# Altium PCB A题功率.PcbDoc
Units mil, origin at the board's own origin, x right, y up, seen from the top; angles counter-clockwise.
Board outline 6890.03 x 6700.06 mil, 2 copper layers (Top Layer, Bottom Layer); 105 components, 59 nets, 275 pads, 0 vias.
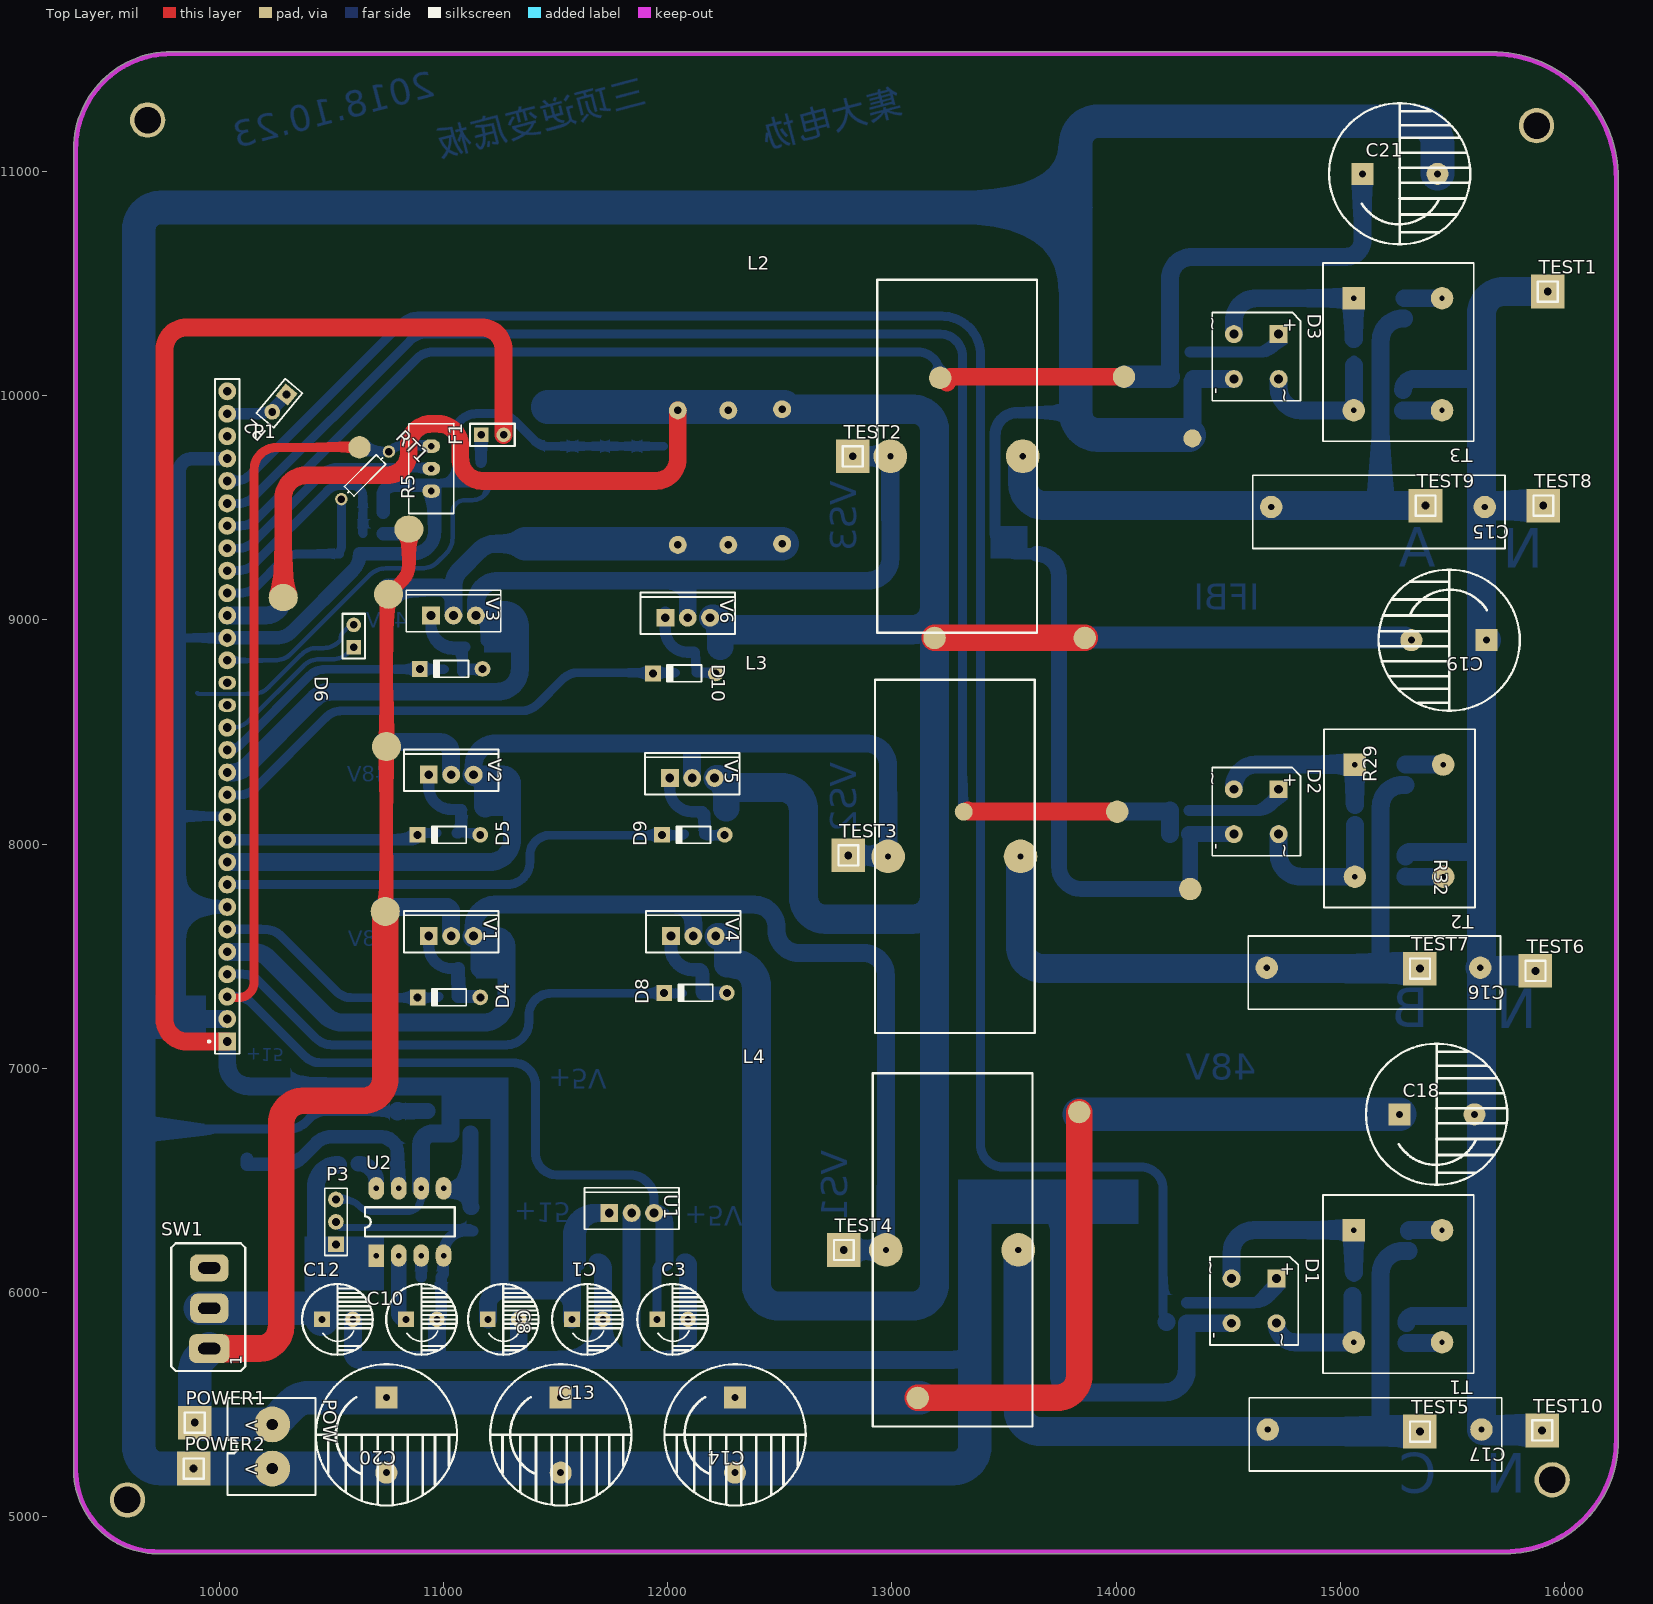
[diagram p0: Top Layer view]
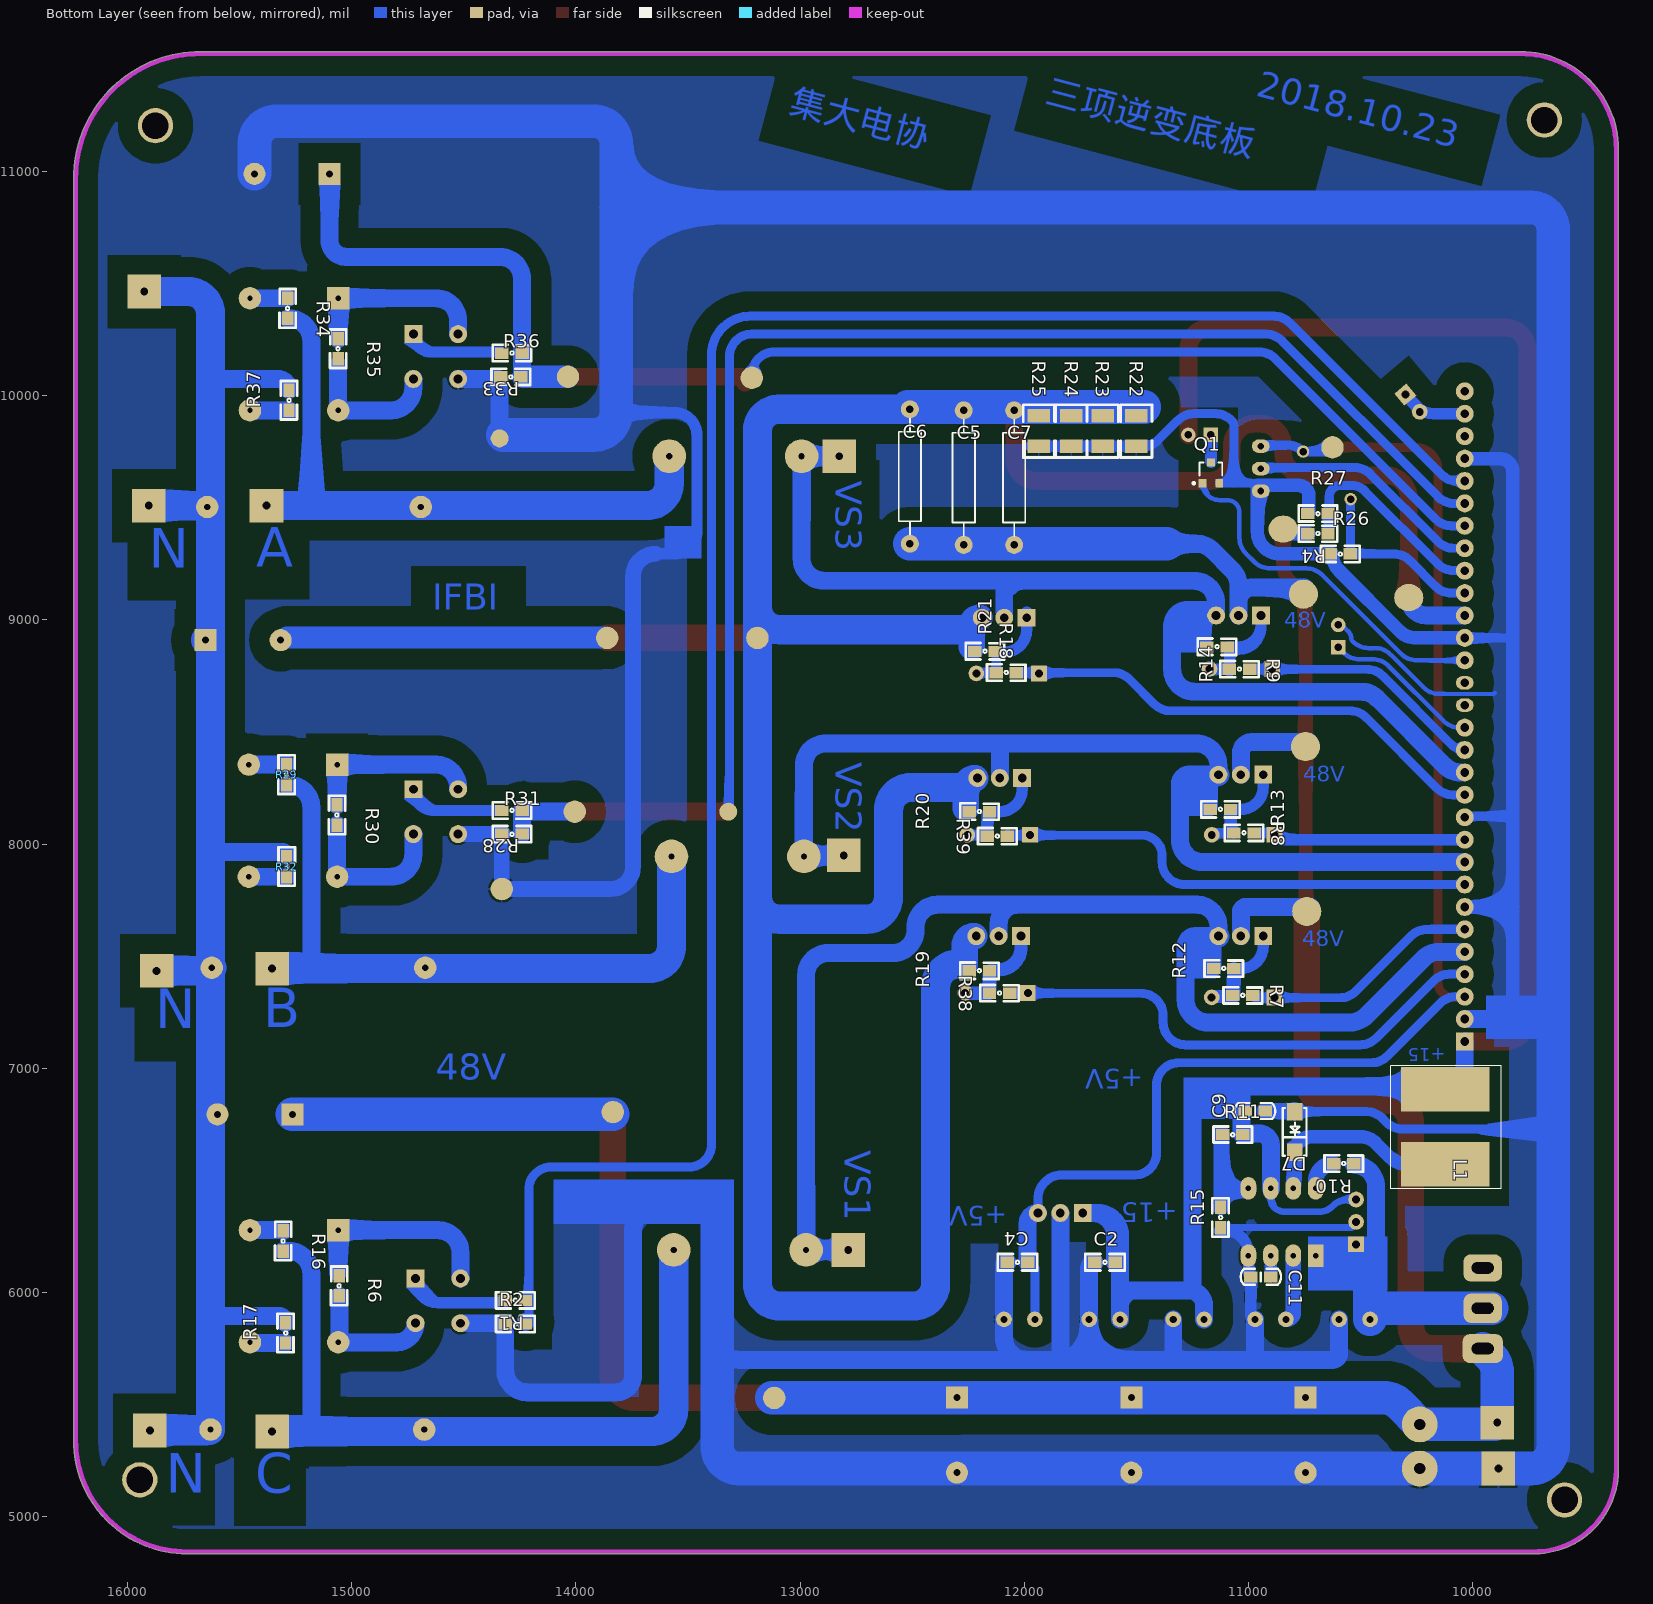
[diagram p1: Bottom Layer view, seen from below]
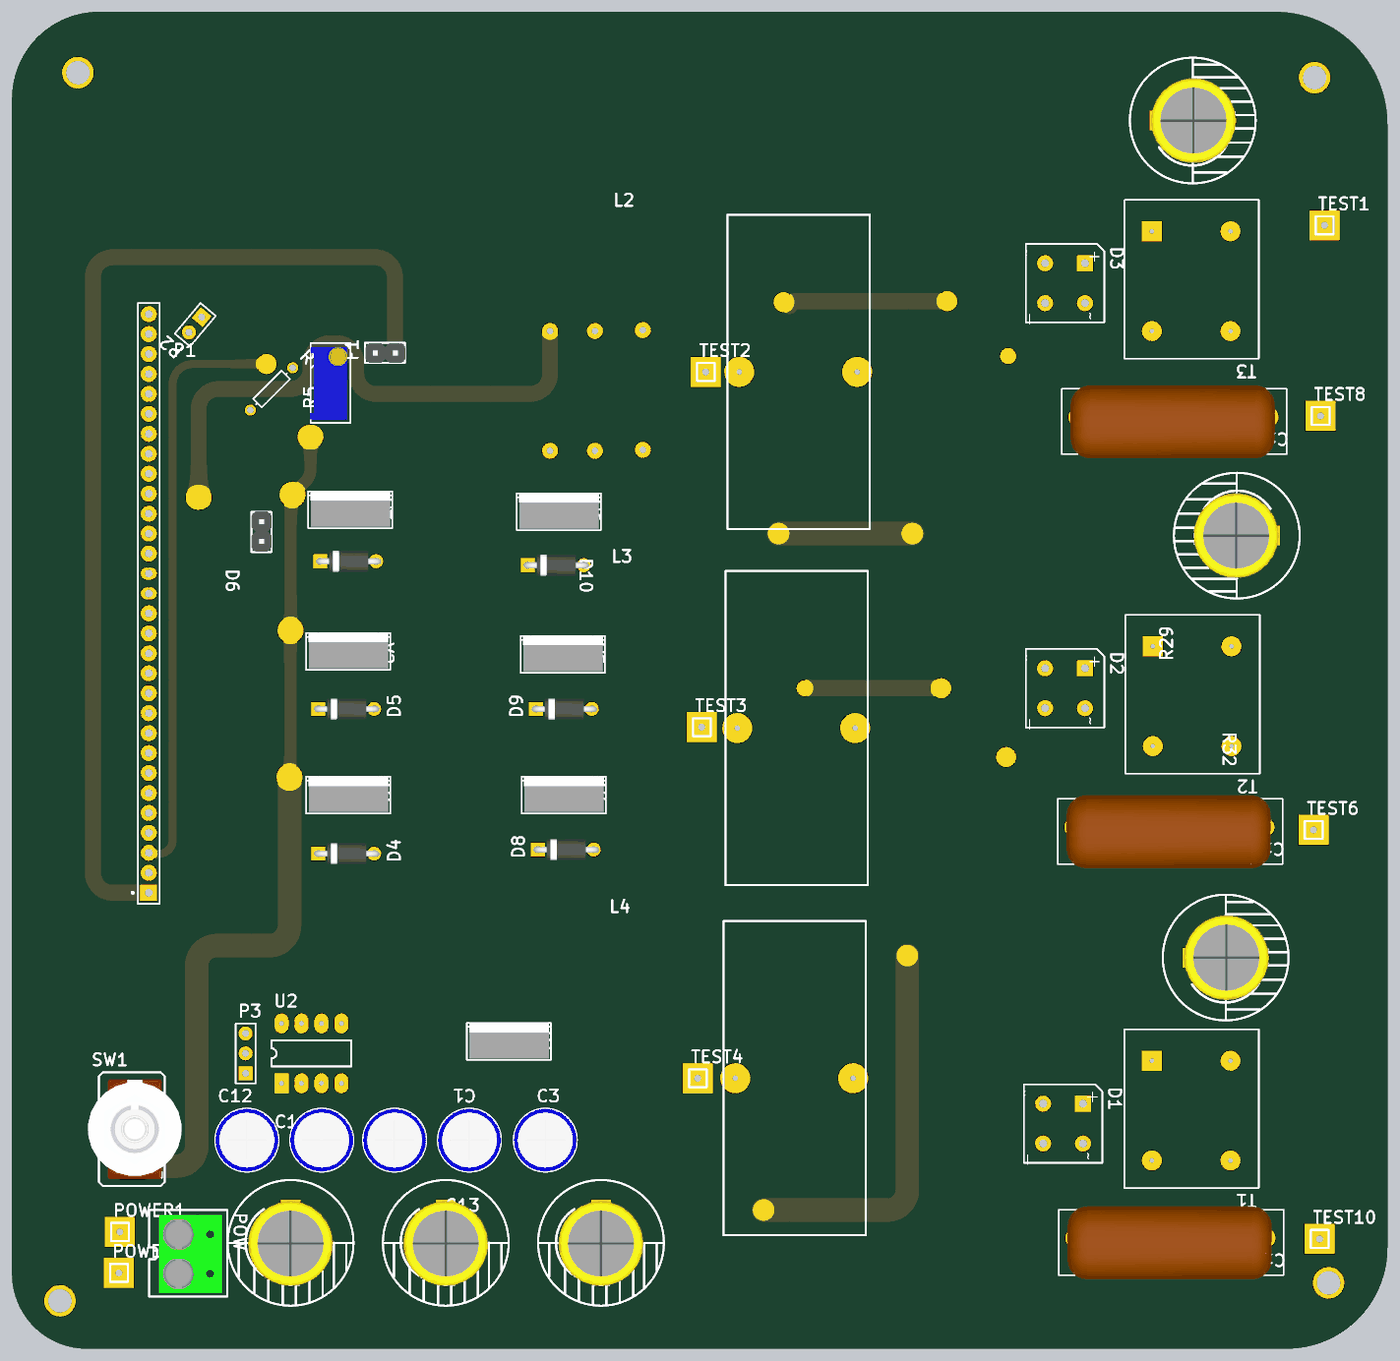
[diagram p2: 3D render of the assembled board from above, using the file's embedded part models]
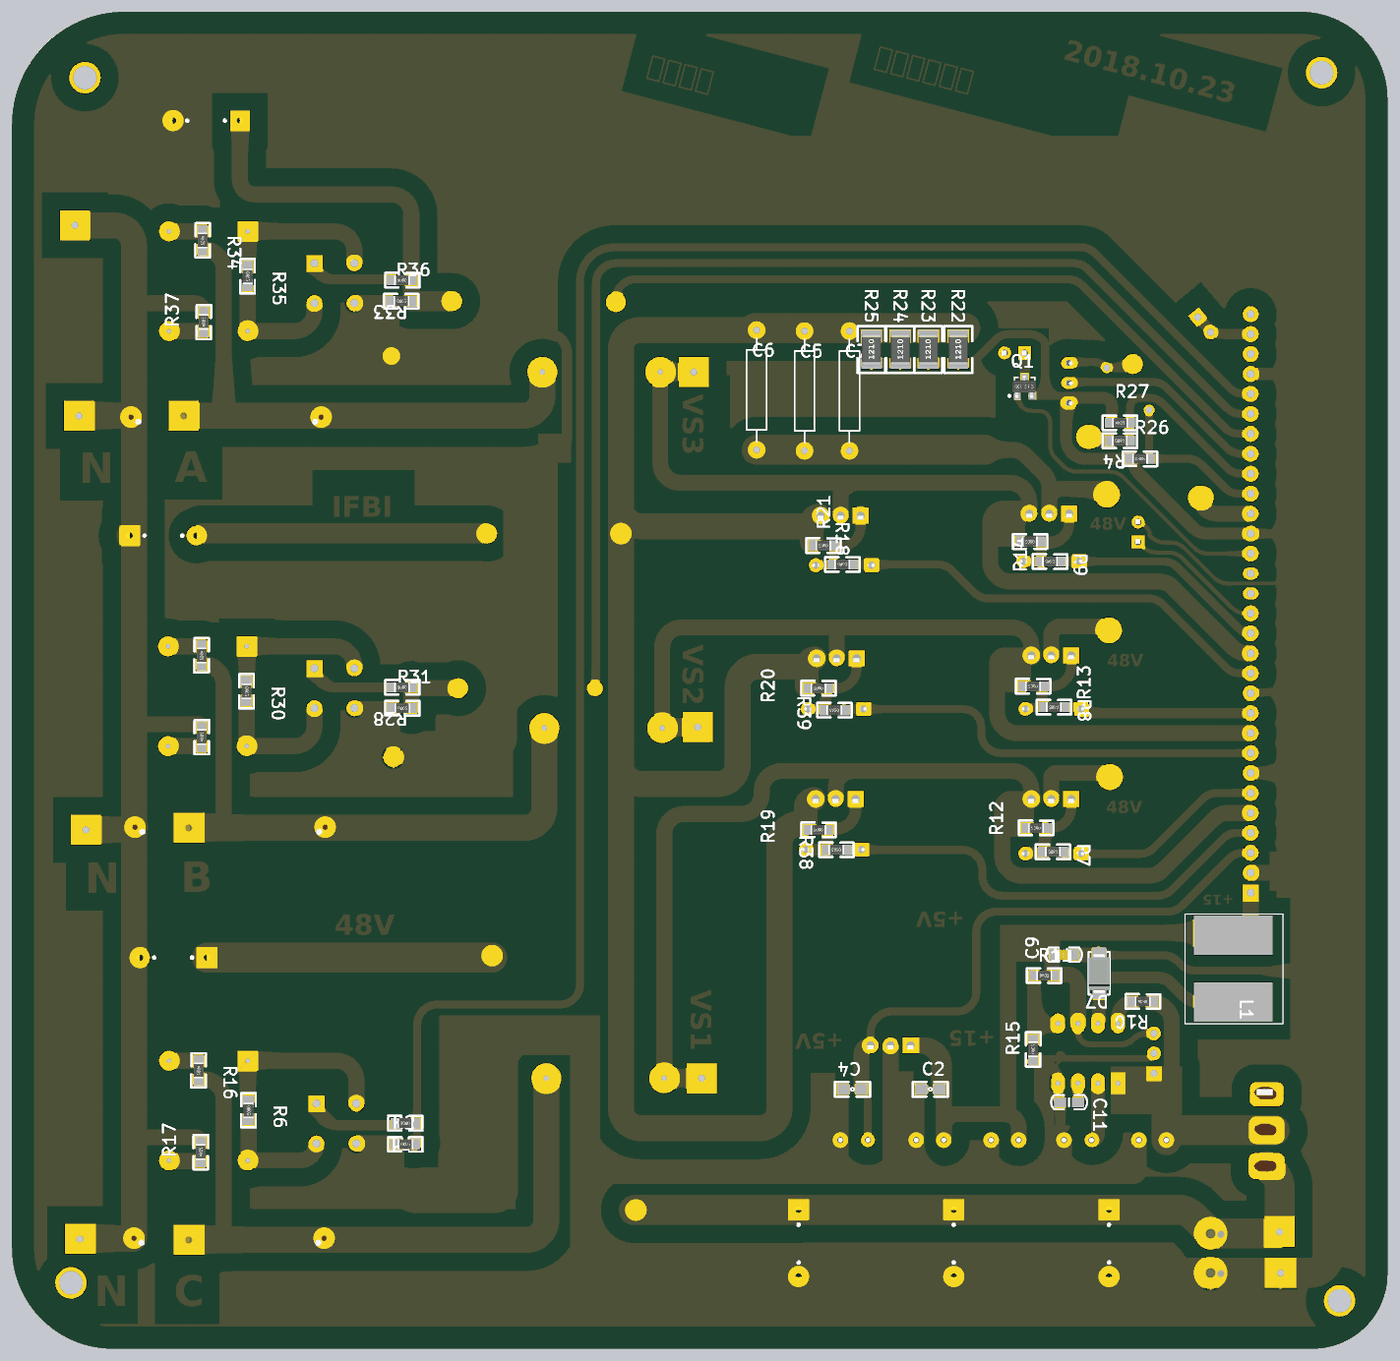
[diagram p3: 3D render of the assembled board from below, using the file's embedded part models]

## Layer stack, top to bottom
Top Solder: solder mask 0.4, Solder Resist, Dk 3.5
Top Layer: signal copper 1.4
Dielectric 1: dielectric 12.6, FR-4, Dk 4.8
Bottom Layer: signal copper 1.4
Bottom Solder: solder mask 0.4, Solder Resist, Dk 3.5

## Board outline
9719.86,4834.99 ccw(c9720,4845) 9720,4834.98 9719.86,4834.99 cw(c9725,5210) 9349.99,5204.86 cw(c9360,5205) 9349.99,5205 9349.99,11100 cw(c9785,11100) 9785,11535.01 15675,11535.01 cw(c15675,10970) 16240.01,10970.05 cw(c15675,10970) 16240.01,10970 ccw(c16230,10970) 16240.01,10970.05 16240.01,10970 16240.01,5340 cw(c15735,5340) 15735.05,4834.99 cw(c15735,4845) 15735,4834.98 9730.06,4834.98 ccw(c9725,5210) 9730.14,4834.99 9730.06,4834.98 cw(c9725,5210)

## Design rules (kind name [scope] priority, off if disabled: settings)
Clearance Clearance_2 [InPolygon vs InNet('GND')and IsThruPin or InNet('GND_ISO1')and IsThruPin] p1: gap=50
Clearance Clearance_1 [HasPad('Free-0')] p2: gap=118.11
Clearance [All] p3: gap=10
ComponentClearance [All] p1: gap=0 collisioncheckmode=3 verticalgap=0 showdistances=FALSE
HoleSize [All] p1: absolutevalues=TRUE maxlimit=141.73 minlimit=1 maxpercent=80.000 minpercent=20.000
HoleToHoleClearance [All] p1: gap=3.94 allowstackedmicrovias=TRUE
MinimumSolderMaskSliver [All] p1: minsoldermaskwidth=-3.94
PolygonConnect PolygonConnect_1 [All vs IsVia] p1: connectstyle=Direct reliefconductorwidth=10 reliefentries=4 polygonreliefangle="90 Angle" airgapwidth=10
PolygonConnect [All] p2: connectstyle=Relief reliefconductorwidth=10 reliefentries=4 polygonreliefangle="90 Angle" airgapwidth=10
RoutingVias [All] p1: holewidth=16 width=25 viastyle="Through Hole" minholewidth=10 minwidth=20 maxholewidth=28 maxwidth=50
SilkToSilkClearance [All] p1: silktosilkclearance=-3.94
SilkToSolderMaskClearance SilkscreenOverComponentPads [IsPad] p1: minsilkscreentomaskgap=-3.94 clearancetoexposedcopper=TRUE
SolderMaskExpansion SolderMaskExpansion_1 [IsVia] p1: expansion=-787.4
SolderMaskExpansion [All] p2: expansion=4
Width [All] p1: maxlimit=150 minlimit=7.87 preferedwidth=40 toplayer_maxwidth=118.11 toplayer_prefwidth=9.84 bottomlayer_minwidth=10 minimp=50.000000 maximp=50.000000 favimp=50.000000
24 further rules are at their usual default settings.

## Components (designator, comment, footprint, x,y, rotation, side; value= is the part's Value field where it differs from the comment)
C1 "100uF/25V" Cap(直插)RB.8 11570,5880 r0 top
C2 "0.1uF" 0805 11645,6135 r270 bottom
C3 "100uF/25V" Cap(直插)RB.8 11950,5880 r0 top
C4 "0.1uF" 0805 12035,6135 r270 bottom
C5 "0.1uF/100V" AXIAL-0.6 12270,9635 r90 bottom
C6 "0.1uF/100V" AXIAL-0.6 12510,9640 r90 bottom
C7 "0.1uF/100V" AXIAL-0.6 12045,9635 r90 bottom
C8 "100uF/25V" Cap(直插)RB.8 11195,5880 r0 top
C9 "104" 0805C#1 10930,6810 r0 bottom
C10 "4.7uF/25V" Cap(直插)RB.8 10830,5880 r0 top
C11 "470pF" 0805C#2 10990,6070 r180 bottom
C12 "100uF/100V" Cap(直插)RB.8 10455,5880 r0 top
C13 "1000uF/63V" Cap-RB.16(直插) 11522.5,5425 r270 top
C14 "1000uF/63V" Cap-RB.16(直插) 12300,5425 r270 top
C15 "2.2uF" 涤纶大电容 15660,9500 r180 top
C16 "2.2uF" 涤纶大电容 15640,7445 r180 top
C17 "2.2uF" 涤纶大电容 15645,5385 r180 top
C18 "1000uF/63V" Cap-RB.16(直插) 15370,6795 r0 top
C19 "1000uF/63V" Cap-RB.16(直插) 15545,8910 r180 top
C20 "1000uF/63V" Cap-RB.16(直插) 10745,5425 r270 top
C21 "1000uF/63V" Cap-RB.16(直插) 15205,10990 r0 top
D1 "Bridge1" D-38 14615,5963.19 r270 top
D2 "Bridge1" D-38 14625,8145 r270 top
D3 "Bridge1" D-38 14625,10175 r270 top
D4 "IN4148" D1(直插) 10885.24,7315 r0 top
D5 "IN4148" D1(直插) 10885,8040 r0 top
D6 "IN4148" D1(直插) 10895,8780 r0 top
D7 "SS14" SS14 10795,6800 r270 bottom
D8 "IN4148" D1(直插) 11985,7335 r0 top
D9 "IN4148" D1(直插) 11975.24,8040 r0 top
D10 "IN4148" D1(直插) 11935,8760 r0 top
F1 "扇热风扇" "Header 2" 11270,9825 r90 top
L1 "220uH" "电感 220uH(大)" 10125,6555 r270 bottom
L2 "2.2mH" 大电感 13000,9735 r0 top locked
L3 "2.2mH" 大电感 12990,7950 r0 top locked
L4 "2.2mH" 大电感 12980,6195 r0 top locked
P1 "CONNECT-30" HDR1X30 10035,7120 r90 top
P2 "Header 2" HDR1X2 10300,10005 r230 top
P3 "Header 3" HDR1X3 10520,6215 r90 top
POW "接线端子" 接线端子-2P-5.0MM 10240,5400 r270 top
POWER1 "测试点" 测试点 9890,5425 r90 top
POWER2 "测试点" 测试点 9885,5220 r90 top
Q1 "S8050" NPN 11130,9610 r180 bottom
R1 "10K" 0805R#1 14270,5965 r0 bottom
R2 "2K" 0805R#1 14270,5860 r180 bottom
R4 "10K" 0805R#1 10690,9385 r0 bottom
R5 "10K'" 顶调电位器 10945,9575 r90 top
R6 "2K" 0805R#1 15055,6030 r270 bottom
R7 "4.7K" 0805R#1 11025,7325 r0 bottom
R8 "4.7K" 0805R#1 11020,8050 r0 bottom
R9 "4.7K" 0805R#1 11040,8780 r0 bottom
R10 "200R" 0805R#1 10575,6575 r0 bottom
R11 "51K" 0805R#1 11070,6705 r180 bottom
R12 "10K" 0805R#1 11110,7445 r0 bottom
R13 "10K" 0805R#1 11125,8155 r0 bottom
R14 "10K" 0805R#1 11140,8880 r0 bottom
R15 "4.7K" 0805R#1 11125,6335 r90 bottom
R16 "80K" 0805R#1 15305,6230 r270 bottom
R17 "80K" 0805R#1 15295,5820 r90 bottom
R18 "4.7K" 0805R#1 12080,8765 r0 bottom
R19 "10K" 0805R#1 12200,7435 r0 bottom
R20 "10K" 0805R#1 12200,8145 r0 bottom
R21 "10K" 0805R#1 12175,8860 r0 bottom
R22 "10mR" 1210R 11500,9775 r90 bottom
R23 "10mR" 1210R 11650,9775 r90 bottom
R24 "10mR" 1210R 11790,9775 r90 bottom
R25 "10mR" 1210R 11935,9775 r90 bottom
R26 "10K" 0805R#1 10590,9295 r180 bottom
R27 "10K" 0805R#1 10690,9475 r180 bottom
R28 "10K" 0805R#1 14285,8150 r0 bottom
R29 "80K" 0805R#2 15290,8310 r90 top
R30 "2K" 0805R#1 15065,8130 r270 bottom
R31 "2K" 0805R#1 14285,8045 r180 bottom
R32 "80K" 0805R#2 15290,7900 r270 top
R33 "10K" 0805R#1 14285,10190 r0 bottom
R34 "80K" 0805R#1 15285,10390 r270 bottom
R35 "2K" 0805R#1 15060,10210 r270 bottom
R36 "2K" 0805R#1 14290,10085 r180 bottom
R37 "80K" 0805R#1 15280,9980 r90 bottom
R38 "4.7K" 0805R#1 12110,7335 r0 bottom
R39 "4.7K" 0805R#1 12120,8035 r0 bottom
RT1 "温度传感器10K" AXIAL-0.3 10650,9645 r45 top
SW1 "KEY" 钮子开关（大） 9955,5930 r90 top
T1 "电压互感器" 电压互感器 15220,6068.19 r180 top
T2 "电压互感器" 电压互感器 15224.9,8144.83 r180 top
T3 "电压互感器" 电压互感器 15220,10225 r180 top
TEST1 "测试点" 测试点 15925,10470 r90 top
TEST2 "测试点" 测试点 12825,9735 r90 top
TEST3 "测试点" 测试点 12805,7955 r90 top
TEST4 "测试点" 测试点 12785,6195 r90 top
TEST5 "测试点" 测试点 15355,5385 r90 top
TEST6 "测试点" 测试点 15870,7440 r90 top
TEST7 "测试点" 测试点 15355,7450 r90 top
TEST8 "测试点" 测试点 15905,9515 r90 top
TEST9 "测试点" 测试点 15380,9515 r90 top
TEST10 "测试点" 测试点 15900,5390 r90 top
U1 "L7805" T03B 11740,6355 r0 top
U2 "EG1181" EG1181 10700,6165 r90 top
V1 "IRF840" T03B 10935,7590 r0 top
V2 "IRF840" T03B 10935,8310 r0 top
V3 "IRF840" T03B 10945,9020 r0 top
V4 "IRF840" T03B 12015,7590 r0 top
V5 "IRF840" T03B 12010,8295 r0 top
V6 "IRF840" T03B 11990,9010 r0 top
? "Comment" "Header 2" 10600,8980 r180 top
